# Altium PCB fastic-readout.PcbDoc (part 5 of 6)
Units mm, origin at the board's own origin, x right, y up, seen from the top; angles counter-clockwise.
Board outline 60 x 60 mm, 8 copper layers (Top Layer, L02-GND, L03-PWR, L04- Signal, L05 - Signal, L06-PWR, L07-GND, Bottom Layer), stack 1.566 mm thick; 378 components, 394 nets, 1536 pads, 1082 vias.
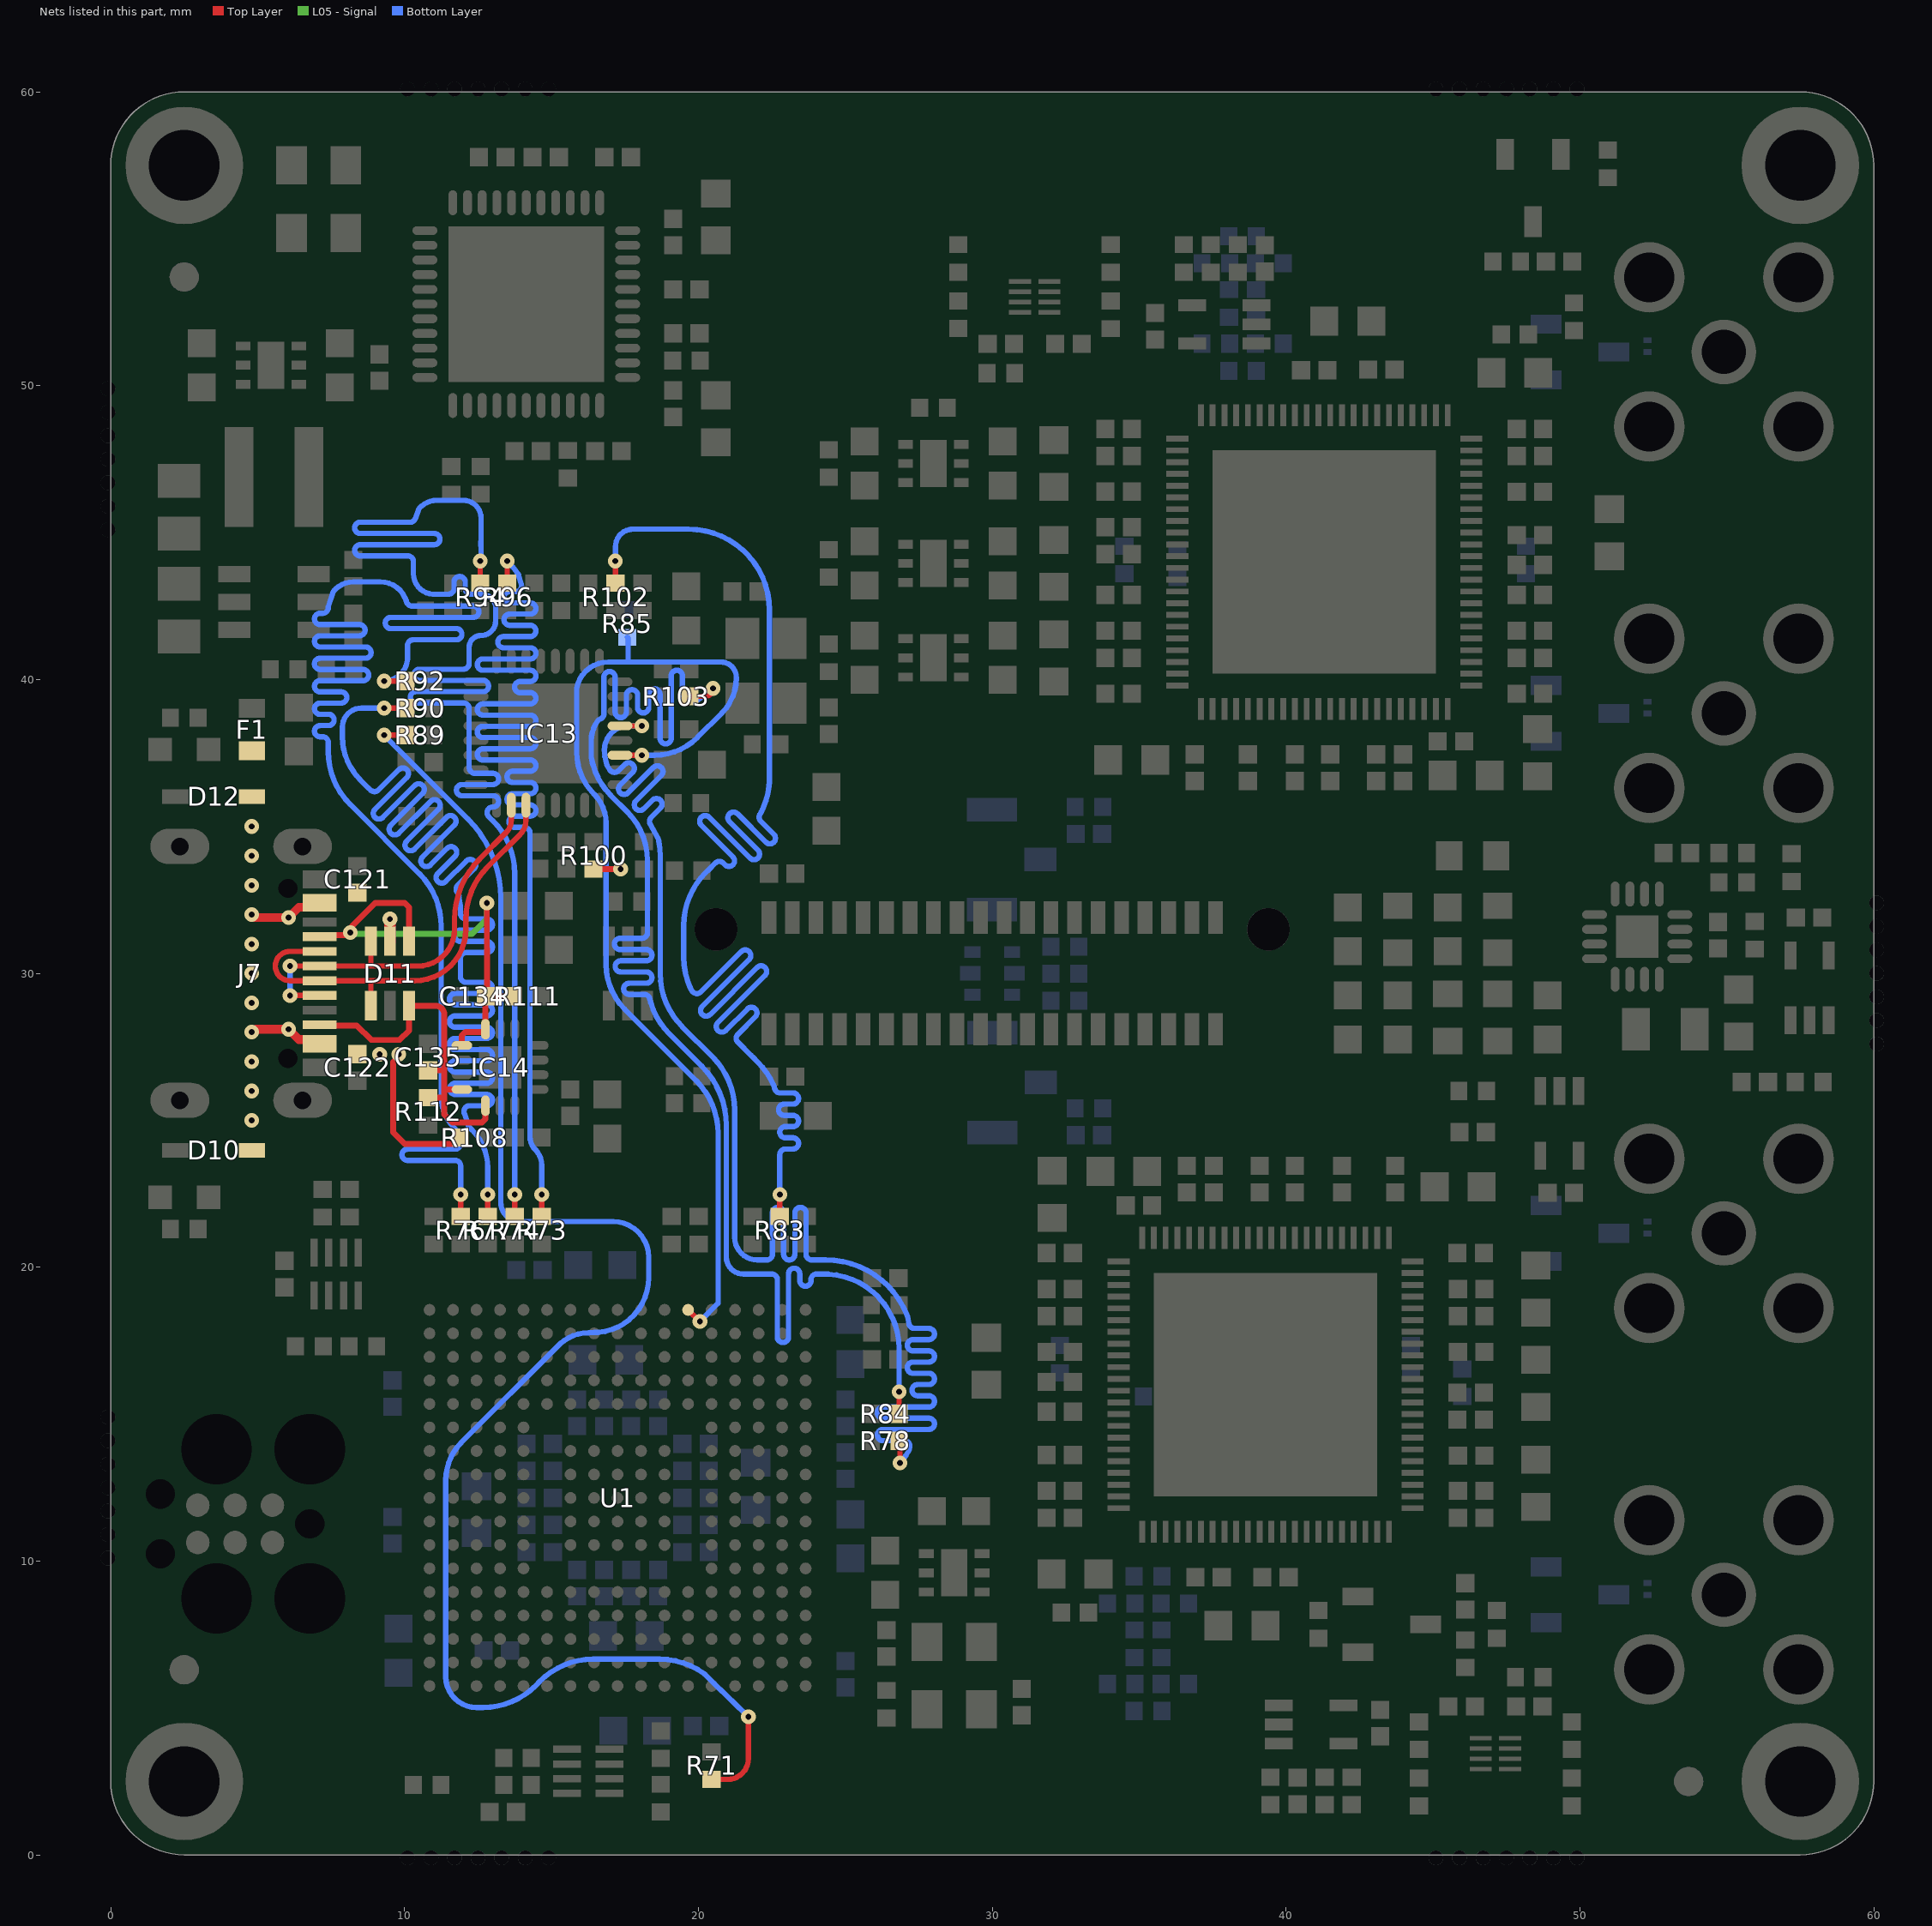
[diagram p11: the nets of this part, all layers, seen from the top]

## Via types
v1: diameter 0.5, hole 0.2, Top Layer to Bottom Layer, tented both sides, 1082 vias

## Nets (pads, with @x,y where several pads share a name; then routed paths per layer and width w, separated by ;. In a path a pad name is that pad's centre, name@x,y a point inside that pad or via, vN(x,y) a via of type N, cw(c..) or ccw(c..) an arc to the next point about the centre after c; other vN are vias at no path point) (continued)
ULPI_D3: R73.1 R96.2 | length 49.1
  Top Layer w0.182: R96.2@13.494,43.286 v1(13.494,44.036) ; R73.1@14.668,21.728 v1(14.668,22.479)
  Bottom Layer w0.182: v1(13.494,44.036) 13.524,44.006 cw(c11.728,42.21) 13.815,43.657 cw(c11.728,42.21) 13.876,43.566 13.971,43.237 cw(c13.787,43.184) 13.787,42.993 13.573,42.993 ccw(c13.573,42.802) 13.573,42.611 14.277,42.611 cw(c14.277,42.42) 14.277,42.229 13.573,42.229 ccw(c13.573,42.038) 13.573,41.847 14.277,41.847 cw(c14.277,41.656) 14.277,41.465 13.362,41.465 ccw(c13.362,41.274) 13.362,41.083 14.277,41.083 cw(c14.277,40.892) 14.277,40.701 12.665,40.701 ccw(c12.665,40.51) 12.665,40.319 14.277,40.319 cw(c14.277,40.128) 14.277,39.937 13.932,39.937 ccw(c13.932,39.746) 13.932,39.555 14.277,39.555 cw(c14.277,39.364) 14.277,39.173 12.665,39.173 ccw(c12.665,38.982) 12.665,38.791 14.277,38.791 cw(c14.277,38.6) 14.277,38.409 12.665,38.409 ccw(c12.665,38.218) 12.665,38.027 14.277,38.027 cw(c14.277,37.836) 14.277,37.645 12.665,37.645 ccw(c12.665,37.454) 12.665,37.263 14.277,37.263 cw(c14.277,37.072) 14.277,36.881 13.674,36.881 ccw(c13.674,36.69) 13.674,36.499 14.277,36.499 cw(c14.277,36.308) 14.277,36.117 13.674,36.117 ccw(c13.674,35.926) 13.674,35.735 14.277,35.735 cw(c14.277,35.544) 14.277,35.353 13.743,35.353 ccw(c13.743,35.162) 13.743,34.971 14.077,34.971 cw(c14.077,34.78) 14.268,34.78 14.268,34.3 14.268,24.439 ccw(c14.889,24.439) 14.45,24 cw(c13.925,23.475) 14.668,23.475 v1(14.668,22.479)
ULPI_D4: R74.1 R94.2 | length 54.2
  Top Layer w0.182: R94.2@12.574,43.286 v1(12.574,44.036) ; R74.1@13.748,21.728 v1(13.748,22.479)
  Bottom Layer w0.182: v1(12.574,44.036) ccw(c12.574,44.063) 12.6,44.063 12.6,44.531 ccw(c12.418,44.531) 12.598,44.559 cw(c13.034,44.626) 12.598,44.694 ccw(c12.418,44.721) 12.6,44.721 12.6,45.5 ccw(c12,45.5) 12,46.1 11.1,46.1 ccw(c11.1,45.3) 10.571,45.9 ccw(c11.1,45.3) 10.483,45.809 10.365,45.482 cw(c10.186,45.546) 10.186,45.355 8.491,45.355 ccw(c8.491,45.164) 8.491,44.973 11.012,44.973 cw(c11.012,44.782) 11.012,44.591 8.491,44.591 ccw(c8.491,44.4) 8.491,44.209 10.109,44.209 cw(c10.109,44.018) 10.3,44.018 10.3,43.927 10.3,43.6 ccw(c10.994,43.6) 10.963,42.907 ccw(c10.994,43.6) 10.994,42.906 11.491,42.906 ccw(c11.491,43.097) 11.682,43.097 11.682,43.318 cw(c11.873,43.318) 12.064,43.318 12.064,43.097 ccw(c12.255,43.097) 12.255,42.906 12.546,42.906 12.639,42.899 ; 12.733,42.892 12.639,42.899 ; v1(13.748,22.479) 13.748,33.4 ccw(c11.208,33.4) 13.181,35 ccw(c11.208,33.4) 13.103,35.091 13.004,35.196 12.862,35.338 cw(c12.997,35.473) 12.997,35.664 13.01,35.664 ccw(c13.01,35.855) 13.01,36.046 11.953,36.046 cw(c11.953,36.237) 11.953,36.428 13.01,36.428 ccw(c13.01,36.619) 13.01,36.81 12.392,36.81 cw(c12.392,37.001) 12.215,36.928 12.192,36.983 12.192,37.654 12.192,38.925 12.192,39.016 ccw(c12.001,39.016) 12.001,39.207 10.383,39.207 cw(c10.383,39.398) 10.383,39.589 12.668,39.589 ccw(c12.668,39.78) 12.668,39.971 10.511,39.971 cw(c10.511,40.162) 10.511,40.353 12.001,40.353 ccw(c12.001,40.544) 12.192,40.544 12.192,40.859 12.192,41.092 cw(c12.6,41.092) 12.6,41.5 ccw(c12.6,42) 13.1,42 13.1,42.438 ccw(c12.639,42.438) 12.711,42.893 ccw(c12.639,42.438) 12.639,42.899
ULPI_D5: R76.1 R92.2 | length 56.3
  Top Layer w0.182: v1(9.3,39.95) R92.2@10.05,39.95 ; R76.1@11.908,21.728 v1(11.908,22.479)
  Bottom Layer w0.182: v1(9.3,39.95) ccw(c9.3,40.75) 9.847,40.167 ccw(c9.3,40.75) 10.097,40.686 ccw(c9.3,40.75) 10.1,40.75 10.1,41.163 cw(c10.291,41.163) 10.291,41.354 11.758,41.354 ccw(c11.758,41.545) 11.758,41.736 9.532,41.736 cw(c9.532,41.927) 9.532,42.118 12.338,42.118 ccw(c12.338,42.309) 12.338,42.5 10.258,42.5 cw(c10.258,42.691) 10.123,42.556 10.078,42.6 10.053,42.691 ccw(c9.174,42.4) 10.018,42.782 ccw(c9.174,42.4) 9.174,43.326 8.25,43.326 ccw(c8.25,42.476) 7.648,43.076 ccw(c8.25,42.476) 7.569,42.985 7.4,42.476 7.4,42.446 cw(c7.209,42.446) 7.209,42.255 7.123,42.255 ccw(c7.123,42.064) 7.123,41.873 8.462,41.873 cw(c8.462,41.682) 8.462,41.491 7.123,41.491 ccw(c7.123,41.3) 7.123,41.109 8.668,41.109 cw(c8.668,40.918) 8.668,40.727 7.123,40.727 ccw(c7.123,40.536) 7.123,40.345 8.586,40.345 cw(c8.586,40.154) 8.586,39.963 7.123,39.963 ccw(c7.123,39.772) 7.123,39.581 7.841,39.581 cw(c7.841,39.39) 7.841,39.199 7.123,39.199 ccw(c7.123,39.008) 7.123,38.817 7.409,38.817 cw(c7.409,38.626) 7.409,38.435 7.123,38.435 ccw(c7.123,38.244) 7.123,38.053 7.209,38.053 cw(c7.209,37.862) 7.4,37.862 7.4,37.771 7.4,37.552 ccw(c9.94,37.552) 8.144,35.756 10.5,33.4 cw(c8.703,31.604) 11.243,31.604 11.243,25.835 ccw(c12.813,25.835) 11.703,24.725 cw(c11.209,24.231) 11.849,24.511 cw(c11.209,24.231) 11.882,24.42 11.908,24.231 11.908,24.21 cw(c11.717,24.21) 11.717,24.019 10.099,24.019 ccw(c10.099,23.828) 10.099,23.637 11.717,23.637 cw(c11.717,23.446) 11.908,23.446 11.908,23.355 v1(11.908,22.479)
ULPI_D6: R77.1 R90.2 | length 57.3
  Top Layer w0.182: v1(9.3,39.03) R90.2@10.05,39.03 ; R77.1@12.828,21.728 v1(12.828,22.479)
  Bottom Layer w0.182: v1(9.3,39.03) 8.53,39.03 ccw(c8.53,38.382) 7.882,38.382 7.882,38.052 ccw(c9.94,38.052) 8.271,36.849 8.271,36.847 ccw(c10.27,38.333) 8.486,36.596 8.775,36.306 8.839,36.242 ccw(c8.975,36.377) 9.11,36.242 9.804,36.937 cw(c9.939,36.801) 10.074,36.937 cw(c9.939,36.801) 10.074,36.666 8.988,35.581 ccw(c9.123,35.446) 8.988,35.31 ccw(c9.123,35.446) 9.258,35.31 10.344,36.396 cw(c10.479,36.261) 10.614,36.396 cw(c10.479,36.261) 10.614,36.126 9.529,35.04 ccw(c9.664,34.905) 9.529,34.77 ccw(c9.664,34.905) 9.799,34.77 10.884,35.856 cw(c11.02,35.721) 11.155,35.856 cw(c11.02,35.721) 11.155,35.586 10.069,34.5 ccw(c10.204,34.365) 10.069,34.23 ccw(c10.204,34.365) 10.339,34.23 11.425,35.316 cw(c11.56,35.181) 11.695,35.316 cw(c11.56,35.181) 11.695,35.046 10.609,33.96 ccw(c10.744,33.825) 10.609,33.69 ccw(c10.744,33.825) 10.879,33.69 11.448,34.258 cw(c11.583,34.123) 11.718,34.258 cw(c11.583,34.123) 11.718,33.988 11.128,33.399 ccw(c11.263,33.263) 11.128,33.128 ccw(c11.263,33.263) 11.398,33.128 12.094,33.824 cw(c12.229,33.689) 12.364,33.824 cw(c12.229,33.689) 12.364,33.554 11.81,33 ccw(c11.945,32.865) 11.777,32.774 11.848,32.643 11.888,32.375 cw(c9.36,32.13) 11.897,32.256 cw(c9.36,32.13) 11.9,32.137 cw(c9.36,32.13) 11.9,32.13 11.9,32.046 ccw(c12.091,32.046) 12.091,31.855 12.798,31.855 cw(c12.798,31.664) 12.798,31.473 11.897,31.473 ccw(c11.897,31.282) 11.897,31.091 12.798,31.091 cw(c12.798,30.9) 12.798,30.709 12.091,30.709 ccw(c12.091,30.518) 11.9,30.518 11.9,30.006 11.9,29.98 11.9,29.889 ccw(c12.091,29.889) 12.091,29.698 12.798,29.698 cw(c12.798,29.507) 12.798,29.316 11.716,29.316 ccw(c11.716,29.125) 11.716,28.934 12.798,28.934 cw(c12.798,28.743) 12.798,28.552 11.716,28.552 ccw(c11.716,28.361) 11.716,28.17 12.798,28.17 cw(c12.798,27.979) 12.798,27.788 11.716,27.788 ccw(c11.716,27.597) 11.716,27.406 12.798,27.406 cw(c12.798,27.215) 12.798,27.024 11.716,27.024 ccw(c11.716,26.833) 11.716,26.642 12.798,26.642 cw(c12.798,26.451) 12.798,26.26 11.724,26.26 ccw(c11.724,26.069) 11.724,25.878 12.798,25.878 cw(c12.798,25.687) 12.798,25.496 12.21,25.496 ccw(c12.21,25.305) 12.029,25.245 12.174,24.811 ccw(c13.267,25.632) 12.248,24.72 ccw(c13.267,25.632) 12.3,24.665 cw(c11.027,23.392) 12.688,24.088 cw(c11.027,23.392) 12.828,23.392 v1(12.828,22.479)
ULPI_D7: R71.1 R89.2 | length 57.1
  Top Layer w0.182: v1(9.3,38.11) R89.2@10.05,38.11 ; R71.1@20.448,2.568 20.99,2.568 ccw(c20.99,3.278) 21.7,3.278 v1(21.7,4.7)
  Bottom Layer w0.182: v1(9.3,38.11) 12.156,35.253 cw(c9.464,32.562) 13.271,32.562 13.271,22.219 ccw(c13.939,22.219) 13.939,21.552 17.101,21.552 cw(c17.101,20.348) 18.304,20.348 18.304,19.638 cw(c16.443,19.638) 18.251,19.194 cw(c16.443,19.638) 16.588,17.782 16.462,17.782 ccw(c16.462,16.136) 16.262,17.77 ccw(c16.262,16.342) 15.411,17.489 ccw(c16.262,16.342) 15.252,17.352 11.929,14.029 ccw(c13.206,12.752) 11.4,12.752 11.4,6.064 ccw(c12.448,6.064) 12.448,5.016 12.664,5.016 ccw(c12.664,7.556) 14.46,5.76 14.616,5.916 cw(c16.412,4.12) 16.412,6.66 18.688,6.66 cw(c18.688,4.12) 20.203,6.159 cw(c20.094,6.013) 20.221,6.143 20.538,5.834 v1(21.7,4.7)
ULPI_DIR: R84.2 R103.2 | length 55.6
  Top Layer w0.182: R103.2@19.71,39.43 20.23,39.43 ccw(c20.23,39.7) v1(20.5,39.7) ; R84.2@26.827,15.008 v1(26.827,15.758)
  Bottom Layer w0.182: v1(20.5,39.7) cw(c18.991,41.209) 20.036,39.348 cw(c18.991,41.209) 19.945,39.3 19.691,39.24 cw(c19.647,39.426) 19.456,39.426 19.456,40.127 ccw(c19.265,40.127) 19.074,40.127 19.074,38.003 cw(c18.883,38.003) 18.692,38.003 18.692,39.495 ccw(c18.501,39.495) 18.31,39.495 18.31,39.057 cw(c18.119,39.057) 17.928,39.057 17.928,39.468 ccw(c17.737,39.468) 17.546,39.468 17.546,38.895 cw(c17.355,38.895) 17.164,38.895 17.164,40.087 ccw(c16.973,40.087) 16.782,40.087 16.782,38.833 cw(c16.591,38.833) 16.676,38.662 16.591,38.62 ccw(c17.514,37.913) 16.5,38.482 ccw(c17.514,37.913) 16.351,37.913 16.351,37.355 ccw(c18.717,37.752) 17.021,36.055 17.578,35.498 cw(c15.916,33.837) 18.266,33.837 18.266,32.616 18.266,31.386 cw(c18.075,31.386) 18.075,31.195 17.33,31.195 ccw(c17.33,31.004) 17.33,30.813 18.227,30.813 cw(c18.227,30.622) 18.227,30.431 17.357,30.431 ccw(c17.357,30.24) 17.357,30.049 18.227,30.049 cw(c18.227,29.858) 18.227,29.667 17.646,29.667 ccw(c17.646,29.476) 17.646,29.285 18.157,29.285 cw(c18.157,29.094) 18.347,29.119 18.35,29.094 ccw(c20.806,29.741) 18.376,29.003 ccw(c20.806,29.741) 19.01,27.945 19.528,27.428 20.113,26.842 cw(c18.103,24.826) 20.95,24.826 20.95,20.348 ccw(c21.53,20.348) 21.53,19.768 22.102,19.768 22.493,19.768 cw(c22.493,19.577) 22.684,19.577 22.684,17.629 ccw(c22.875,17.629) 23.066,17.629 23.066,19.777 cw(c23.257,19.777) 23.448,19.777 23.448,19.545 ccw(c23.639,19.545) 23.83,19.545 23.83,19.577 cw(c24.021,19.577) 24.021,19.768 24.112,19.768 24.287,19.768 cw(c24.287,17.228) 24.422,19.764 cw(c24.287,17.228) 26.827,17.228 v1(26.827,15.758)
ULPI_NXT: R83.2 R102.2 | length 54.4
  Top Layer w0.182: R102.2@17.174,43.286 v1(17.174,44.036) ; R83.2@22.768,21.728 v1(22.768,22.478)
  Bottom Layer w0.182: v1(17.174,44.036) 17.174,44.519 cw(c17.773,44.519) 17.633,45.102 cw(c17.773,44.519) 17.773,45.118 19.664,45.118 cw(c19.664,42.364) 22.418,42.364 22.418,36.652 cw(c19.878,36.652) 22.403,36.376 cw(c19.878,36.652) 22.205,35.634 cw(c19.878,36.652) 22.161,35.539 cw(c19.878,36.652) 22.117,35.454 22.101,35.431 ccw(c22.254,35.317) 22.119,35.182 22.566,34.735 cw(c22.431,34.6) 22.566,34.465 cw(c22.431,34.6) 22.296,34.465 21.327,35.434 ccw(c21.192,35.299) 21.057,35.434 ccw(c21.192,35.299) 21.057,35.163 22.026,34.195 cw(c21.89,34.06) 22.026,33.925 cw(c21.89,34.06) 21.755,33.925 20.367,35.314 ccw(c20.232,35.179) 20.097,35.314 ccw(c20.232,35.179) 20.097,35.044 21.173,33.967 cw(c21.038,33.832) 21.173,33.697 cw(c21.038,33.832) 20.903,33.697 20.844,33.756 ccw(c20.709,33.621) 20.574,33.756 20.338,33.521 20.244,33.426 ccw(c22.04,31.63) 19.5,31.63 19.5,30.552 ccw(c22.04,30.552) 19.713,29.534 ccw(c22.04,30.552) 19.754,29.446 19.791,29.393 ccw(c19.947,29.504) 20.082,29.369 21.456,30.743 cw(c21.591,30.608) 21.726,30.743 cw(c21.591,30.608) 21.726,30.473 20.126,28.872 ccw(c20.261,28.737) 20.126,28.602 ccw(c20.261,28.737) 20.396,28.602 21.996,30.203 cw(c22.132,30.068) 22.267,30.203 cw(c22.132,30.068) 22.267,29.933 20.66,28.327 ccw(c20.796,28.192) 20.66,28.057 ccw(c20.796,28.192) 20.931,28.057 21.665,28.791 cw(c21.8,28.656) 21.935,28.791 cw(c21.8,28.656) 21.935,28.521 21.342,27.928 ccw(c21.477,27.793) 21.342,27.658 21.792,27.208 21.856,27.144 22.024,26.976 cw(c20.228,25.18) 22.547,26.215 cw(c20.228,25.18) 22.586,26.124 22.593,26.088 ccw(c22.78,26.124) 22.78,25.933 23.215,25.933 cw(c23.215,25.742) 23.215,25.551 22.916,25.551 ccw(c22.916,25.36) 22.916,25.169 23.215,25.169 cw(c23.215,24.978) 23.215,24.787 22.959,24.787 ccw(c22.959,24.596) 22.959,24.405 23.215,24.405 cw(c23.215,24.214) 23.215,24.023 22.959,24.023 ccw(c22.959,23.832) 22.768,23.832 22.768,23.449 v1(22.768,22.478)
ULPI_RSTn: IC13.27 R85.1 U1.U6 | length 36.4
  Top Layer w0.182: IC13.27@17.33,37.425 v1(18.075,37.425) ; U1.U6@19.648,18.548 19.65,18.548 20.048,18.15 v1(20.05,18.15)
  Bottom Layer w0.182: R85.1@17.577,41.436 cw(c17.577,41.406) 17.607,41.406 17.607,40.6 ; v1(18.075,37.425) 18.504,37.425 ccw(c18.504,39.497) 19.969,38.032 20.791,38.855 ccw(c19.581,40.065) 21.293,40.064 ccw(c20.757,40.064) 20.757,40.6 17.607,40.6 ; v1(20.05,18.15) 20.05,18.154 20.668,18.772 20.668,24.553 ccw(c18.128,24.553) 20.668,24.557 ccw(c18.128,24.553) 19.924,26.349 17.482,28.791 cw(c18.991,30.3) 16.857,30.3 16.857,35.117 ccw(c15.467,35.117) 16.45,36.1 cw(c17.888,37.538) 15.855,37.538 15.855,39.702 cw(c16.936,39.5) 16.936,40.6 17.607,40.6
ULPI_STP: IC13.29 R78.2 | length 56.7
  Top Layer w0.182: IC13.29@17.33,38.425 v1(18.075,38.425) ; v1(26.857,13.337) R78.2@26.857,14.088
  Bottom Layer w0.182: v1(18.075,38.425) 17.625,38.425 ccw(c17.625,37.6) 16.8,37.6 ccw(c18.369,37.6) 16.86,37.17 ccw(c18.369,37.6) 16.891,37.073 16.981,36.931 ccw(c17.142,37.034) 17.277,36.898 17.492,37.114 cw(c17.627,36.979) 17.763,37.114 cw(c17.627,36.979) 17.763,36.844 17.336,36.417 ccw(c17.471,36.282) 17.336,36.147 ccw(c17.471,36.282) 17.606,36.147 18.467,37.008 cw(c18.602,36.873) 18.737,37.008 cw(c18.602,36.873) 18.737,36.738 17.872,35.873 ccw(c18.007,35.738) 17.872,35.603 ccw(c18.007,35.738) 18.142,35.603 18.436,35.897 cw(c18.572,35.762) 18.707,35.897 cw(c18.572,35.762) 18.707,35.627 18.389,35.309 ccw(c18.524,35.174) 18.358,35.081 18.627,34.602 cw(c16.16,33.998) 18.651,34.497 cw(c16.16,33.998) 18.7,33.998 18.7,29.989 ccw(c21.24,29.989) 19.444,28.193 20.488,27.149 cw(c18.692,25.353) 21.232,25.353 21.232,21.018 ccw(c22,21.018) 22,20.25 22.327,20.25 ccw(c22.327,20.441) 22.518,20.441 22.518,21.846 cw(c22.709,21.846) 22.9,21.846 22.9,20.441 ccw(c23.091,20.441) 23.282,20.441 23.282,21.846 cw(c23.473,21.846) 23.664,21.846 23.664,20.441 ccw(c23.855,20.441) 23.855,20.25 24.328,20.25 cw(c24.328,17.269) 27.086,18.4 cw(c24.328,17.269) 27.122,18.309 27.164,18.075 ccw(c27.352,18.109) 27.352,17.918 27.843,17.918 cw(c27.843,17.727) 27.843,17.536 27.3,17.536 ccw(c27.3,17.345) 27.3,17.154 27.843,17.154 cw(c27.843,16.963) 27.843,16.772 27.3,16.772 ccw(c27.3,16.581) 27.3,16.39 27.843,16.39 cw(c27.843,16.199) 27.843,16.008 27.459,16.008 ccw(c27.459,15.817) 27.459,15.626 27.843,15.626 cw(c27.843,15.435) 27.843,15.244 26.281,15.244 ccw(c26.281,15.053) 26.281,14.862 27.843,14.862 cw(c27.843,14.671) 27.843,14.48 26.281,14.48 ccw(c26.281,14.289) 26.281,14.098 27.005,14.098 cw(c27.005,13.907) 27.192,13.868 27.18,13.811 cw(c25.765,14.429) 27.136,13.72 cw(c25.765,14.429) v1(26.857,13.337)
USB_CC1: C134.2 D11.4 IC14.10 IC14.11 J7.A5 R111.2 | length 16.3
  Top Layer w0.2: J7.A5@7.105,31.25 7.153,31.298 v1@7.98,31.298 ; v1@8.207,31.607 9,32.4 10,32.4 10.15,32.25 D11.4@10.15,31.1 ; IC14.11@11.95,27.55 11.95,27.89 12.067,28.007 12.656,28.007 ccw(c12.656,28.1) IC14.10@12.75,28.1 ; IC14.10@12.75,28.104 12.75,29.201 C134.2@12.772,29.224 ; v1(12.8,32.4) 12.8,30.853 12.81,30.842 12.81,29.262 C134.2@12.772,29.224 ; R111.2@13.702,29.224 C134.2@12.772,29.224
  L05 - Signal w0.2: v1(8.15,31.387) 8.187,31.35 12.295,31.35 12.8,31.855 v1(12.8,32.4)
USB_CC2: C135.2 D11.3 IC14.1 IC14.14 J7.B5 R112.2 | length 12.8
  Top Layer w0.2: J7.B5@7.105,28.25 7.13,28.225 8.375,28.225 8.864,27.736 9.836,27.736 10.15,28.05 D11.3@10.15,28.9 11.05,28.9 cw(c11.05,28.6) 11.35,28.6 11.35,26.7 ; R112.2@10.8,25.77 11.311,25.77 ccw(c11.311,25.809) 11.35,25.809 ; C135.2@10.8,26.7 11.35,26.7 ; IC14.14@11.95,26.05 11.361,26.05 11.35,26.039 ; IC14.1@12.75,25.5 12.75,25.045 12.63,24.925 11.625,24.925 11.35,25.2 11.35,25.809 ; 11.35,25.809 11.35,26.039 ; 11.35,26.039 11.35,26.7
USB_D_N: D11.1 IC13.19 J7.A7 J7.B7 | length 15.3
  Top Layer w0.183: J7.B7@7.105,30.75 6.1,30.75 ccw(c6.1,30.25) 5.6,30.25 ccw(c6.1,30.25) 6.1,29.75 J7.A7@7.105,29.75 8.85,29.75 ; D11.1@8.85,28.9 8.85,29.75 ; IC13.19@14.13,35.725 14.13,35.209 cw(c13.457,35.209) 13.933,34.733 12.827,33.627 ccw(c14.623,31.831) 12.083,31.831 12.083,31.5 cw(c10.333,31.5) 10.333,29.75 8.85,29.75
USB_D_P: D11.6 IC13.18 J7.A6 J7.B6 | length 14
  Top Layer w0.183: v1(6.1,29.25) J7.B6@7.105,29.25 ; v1(6.1,30.25) J7.A6@7.105,30.25 8.85,30.25 ; D11.6@8.85,31.1 8.85,30.25 ; IC13.18@13.63,35.725 13.63,35.209 cw(c13.058,35.209) 13.462,34.804 12.556,33.898 ccw(c14.623,31.831) 11.7,31.831 11.7,31.5 cw(c10.45,31.5) 10.45,30.25 8.85,30.25
  Bottom Layer w0.183: v1(6.1,29.25) v1(6.1,30.25)
VBUS: C121.2 C122.2 D10.1 D11.5 D12.1 F1.1 J7.A4 J7.A9 J7.B4 J7.B9 R100.1 R108.2 | length 11.8
  Top Layer w0.2: v1(9.8,27.25) 9.8,27.171 9.612,26.983 9.612,24.588 10,24.2 11.695,24.2 11.7,24.205 11.72,24.205 11.91,24.395 R108.2@11.91,24.415 ; R100.1@16.427,33.545 16.43,33.548 17.348,33.548 v1(17.35,33.55)
  Top Layer w0.3: v1@4.8,31.9 v1(6.05,31.9) 6.4,32.25 J7.B9@7.105,32.25 ; v1@4.9,28.05 4.95,28.1 v1(6.05,28.1) 6.4,27.75 J7.B4@7.105,27.75
  Top Layer w0.4: D11.5@9.5,31.1 v1(9.5,31.85)
  other v1: 4.8,25 4.8,26 4.8,27 9.15,27.25 4.8,28 4.8,29 4.8,30 4.8,31 4.8,32 4.8,33 4.8,34 4.8,35
pads on no net: FTG1.1 FTG2.1 FTG3.1 FTG4.1 FTG5.1 FTG6.1 IC4.2 IC5.2 IC6.2 IC7.2 IC8.2 IC11.1 J3. J6.Mech J7.MEC1 J7.MEC2

## Polygon pours and split planes (outlines as drawn)
GND on Top Layer "S" (solid, remove dead copper, pour order 322): -10,70 70,70 70,-10 -10,-10
+1V2D on Top Layer "+1V2D_L01_P236" (solid, pour order 236): 33.701,14.7 cw(c33.7,14.8) 33.6,14.8 cw(c33.7,14.8) 33.7,14.9 34.675,14.9 34.675,15.1 33.53,15.1 33.06,15.57 33.06,17.43 32.44,17.43 32.44,14.77 33.06,14.77 33.33,14.5 34.675,14.5 34.675,14.7
NetC80_FASTIC2_1 on Top Layer "NETC80_FASTIC2_1_L01_P222" (solid, pour order 222): 34.675,13.3 34.675,13.5 33.7,13.5 33.28,13.92 32.44,13.92 32.44,13.3
NetC80_FASTIC2_1 on Top Layer "NETC80_FASTIC2_1_L01_P223" (solid, pour order 223): 34.675,12.7 34.675,12.5 33.5,12.5 33.08,12.08 32.44,12.08 32.44,12.7
HV on Top Layer "HV_L01_P201" (solid, pour order 201): 36.5,32.45 36.5,27.55 37.85,27.55 39.075,28.775 44.275,28.775 44.275,31.225 39.075,31.225 37.85,32.45